# Allegro board GPS_INTERFACE_BOARDv34_test.brd (continued)
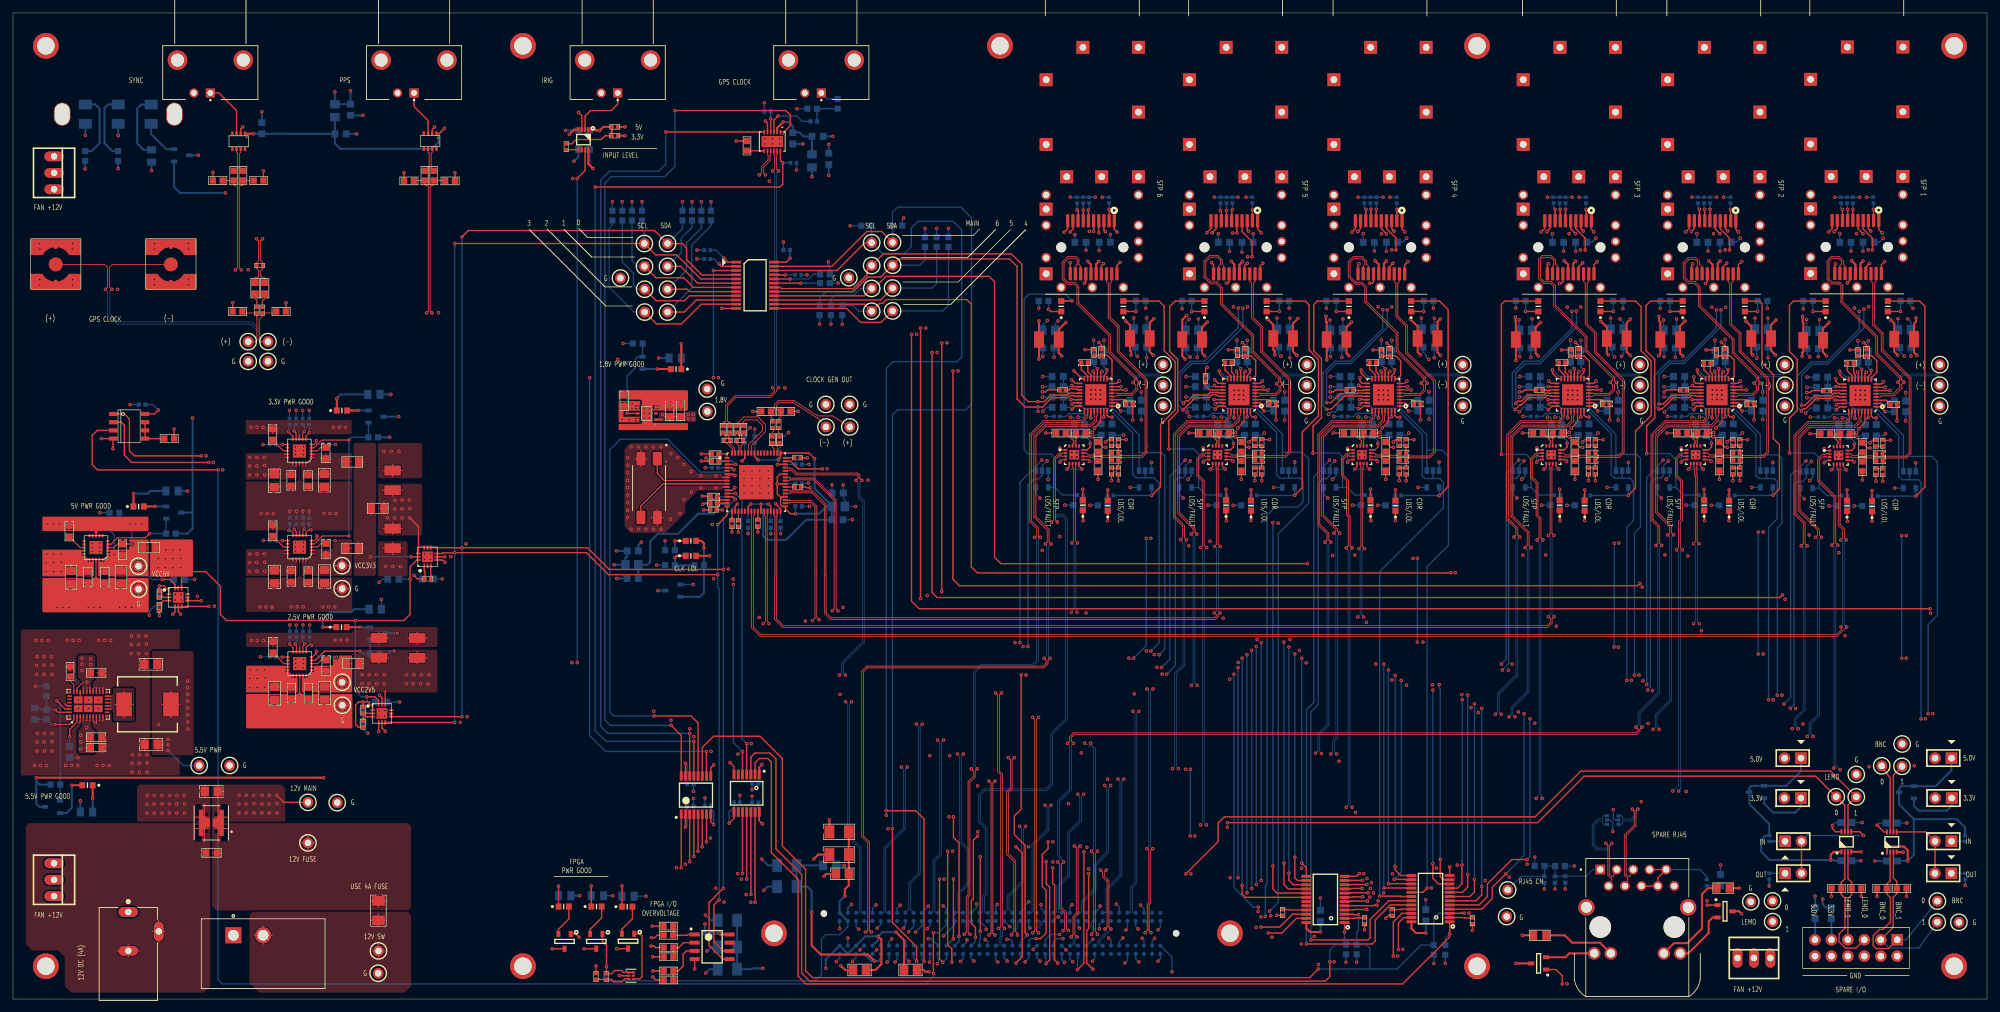
[diagram p0: board, top side]
## Routing (per net, layer and track width the routed paths; a pad name or vN(x,y) marks a point on that pad's centre or on a via; arc(x,y) is an arc through that point) (continued)
  BOTTOM w0.127: v1(168.61,10.82) 168.79,10.64 168.79,10.33 167.5,9.04 167.5,8.38 167.37,8.26 J8.D9 ; U5.3 245.63,28.32 245.5,28.19 245.5,27.93 245.38,27.8 244.69,27.8 243.84,26.95 243.84,23.8 244.6,23.04 246.15,23.04 246.53,23.42 246.53,23.74 v1(246.85,24.05)
FMC.SPARE_RJ45_0_P: length 110.6
  TOP w0.127: v1(169.52,10.82) 169.21,11.13 169.21,18.29 168.5,19 168.5,19.62 v1(168.82,19.94) ; v1(245.94,24.05) 246.25,23.74 246.25,19.16 246.65,18.76 246.81,18.68 246.87,18.51 J17.P2
  SIG w0.127: v1(245.94,24.05) 246.25,24.37 246.25,24.67 245.83,25.1 240.55,25.1 238.39,22.94 187.99,22.94 185.9,20.85 168.63,20.85 168.5,20.73 168.5,20.25 v1(168.82,19.94)
  BOTTOM w0.127: U5.1 245.63,27 245.5,27.13 245.5,27.39 245.38,27.52 244.81,27.52 244.12,26.83 244.12,23.92 244.72,23.32 246.04,23.32 246.25,23.53 246.25,23.74 v1(245.94,24.05) ; v1(169.52,10.82) 169.52,10.67 167.78,8.93 167.78,8.38 167.91,8.26 J8.D8
FMC.SPARE_RJ45_1_N: length 124.7
  TOP w0.127: v1(163.89,23.65) 163.95,23.59 164.03,23.59 164.19,23.44 164.19,13.26 163.68,12.75 163.68,9.9 v1(163.38,9.6) ; v1(250.89,29.36) 250.6,29.07 250.6,26.77 249.07,25.25 249.07,19.29 249.4,18.97 249.48,18.94 249.48,18.94 249.66,19 J17.P5
  SIG w0.127: v1(163.89,23.65) 163.89,23.69 164.78,24.59 184.72,24.59 186.07,25.93 236.22,25.93 241.22,30.94 249.61,30.94 250.6,29.95 250.6,29.65 v1(250.89,29.36)
  BOTTOM w0.127: U5.6 248.4,27 248.53,27.13 248.53,27.39 248.65,27.52 249.94,27.52 250.6,28.18 250.6,29.07 v1(250.89,29.36) ; J8.D12 163.56,8.26 163.69,8.38 163.69,8.56 163.68,8.57 163.68,9.3 v1(163.38,9.6)
FMC.SPARE_RJ45_1_P: length 123.6
  TOP w0.127: v1(164.8,23.65) 164.59,23.65 164.47,23.52 164.47,13.14 163.96,12.63 163.96,9.93 v1(164.29,9.6) ; v1(250.03,29.36) 250.32,29.07 250.32,26.89 248.79,25.36 248.79,19.18 249.35,18.62 249.35,18.38 J17.P4
  SIG w0.127: v1(164.8,23.65) 164.61,23.84 164.61,24.02 164.9,24.31 184.84,24.31 186.18,25.65 236.34,25.65 241.34,30.66 249.49,30.66 250.32,29.83 250.32,29.65 v1(250.03,29.36)
  BOTTOM w0.127: v1(250.03,29.36) 250.32,29.07 250.32,28.3 249.82,27.8 248.65,27.8 248.53,27.93 248.53,28.19 248.4,28.32 U5.4 ; v1(164.29,9.6) 163.96,9.27 163.96,8.69 163.97,8.68 163.97,8.38 164.1,8.26 J8.D11
FMC.SPARE_RJ45_LED_0: length 123.3
  TOP w0.203: Q10.1 238.24,4.56 239.22,3.58 v1(239.22,2.34)
  SIG w0.203: v1(239.22,2.34) 223.22,2.34 222.58,2.97 185.09,2.97 183.16,4.9 183.16,15.21 182.3,16.08 139.88,16.08 139.37,15.57 v1(139.37,10.34)
  BOTTOM w0.203: J8.G30 140.34,11.3 v1(139.37,10.34)
FMC.SPARE_RJ45_LED_1: length 157.9
  TOP w0.203: Q14.1 262.15,14.51 262.14,14.5 v1(261.59,14.5)
  SIG w0.203: v1(261.59,14.5) 261.59,5.03 260.55,3.99 241.02,3.99 236.7,8.31 219.79,8.31 215.33,3.85 185.51,3.85 183.92,5.44 183.92,15.62 182.8,16.74 138.68,16.74 138.28,16.34 v1(138.28,10.4)
  BOTTOM w0.203: J8.G31 139.06,11.18 v1(138.28,10.4)
FMC.TEMP_INTR*: length 227.7
  TOP w0.203: v1(142.11,3.96) v1(142.11,10.26) ; U46.3 13.03,87.88 12.24,87.1 12.24,82.6 13.06,81.79 v1(31.67,81.79)
  BOTTOM w0.203: v1(142.11,10.26) 142.89,10.26 144.15,11.52 J8.G27 ; v1(31.67,81.79) 31.67,3 32.33,2.34 140.98,2.34 142.11,3.47 v1(142.11,3.96)
FPGA_3V3: length 54.4
  TOP w0.305: C101.1 133.17,4.5 134.09,5.41 134.09,9.22 v1(133.6,9.7) ; v1(136.35,10.34) 137.58,9.1 C100.1
  SIG w0.305: v1(125.5,4.75) v1(115.77,4.75)
  BOTTOM w0.305: J8.D32 137.79,8.89 v1(136.35,10.34) 134.24,10.34 v1(133.6,9.7) ; C102.1 C104.1 C103.1 114.02,4.62 114.15,4.75 v1(115.77,4.75) ; J8.D36 133.6,9.14 v1(133.6,9.7) ; v1(133.6,9.7) 131.62,9.7 J8.D38 J8.C39 J8.D40 125.5,6.12 v1(125.5,4.75)
FPGA_12V: length 33
  TOP w0.305: v1(123.32,13.44) 123.32,8.28 124.71,6.88 132.03,6.88 v1(133.05,5.87)
  BOTTOM w0.305: C97.1 C99.1 C98.1 122.66,17.37 123.32,16.71 v1(123.32,13.44) ; J8.C37 132.56,5.87 v1(133.05,5.87) 133.6,5.87 133.99,6.25 J8.C35
GPS_CLK10_N: length 4.1
  TOP w0.127: U48.64 111.11,84.49 111.11,85.02 110.19,85.93 110.19,85.95 R35.2 110.15,86.67 110.15,86.86 109.65,87.35 C39.2
GPS_CLK10_P: length 3.7
  TOP w0.127: U48.63 111.43,84.46 111.43,85.15 110.71,85.87 R35.1 110.46,86.58 110.46,86.92 110.72,87.17 C38.2
GPS_CLK_IN: length 2.9
  BOTTOM w0.203: J1.1 125.74,139.1 R2.1
GPS_CLK_SCOPE_N: length 52.4
  TOP w0.127: v1(15.28,109.68) 14.88,110.07 14.88,113.06 15.37,113.54 J3.3 ; R8.1 40.41,106.03 R6.2 38.51,105.52 38.02,105.04 38.02,101.8 38.23,101.6 TP2.1
  BOTTOM w0.127: v1(15.28,109.68) 14.96,109.36 14.96,105.91 16.23,104.65 36.88,104.65 38.02,103.5 38.02,101.8
  BOTTOM w0.203: TP2.1 38.23,101.6 38.02,101.8
GPS_CLK_SCOPE_P: length 50.8
  TOP w0.127: R7.1 35.67,106.03 R3.2 37.64,105.52 37.68,105.49 37.68,105.2 37.67,105.19 37.67,101.8 37.47,101.6 TP1.1 ; J2.3 14.12,113.54 14.61,113.06 14.61,109.99 v1(14.29,109.68)
  BOTTOM w0.127: v1(14.29,109.68) 14.61,109.36 14.61,105.77 16.08,104.29 36.73,104.29 37.67,103.35 37.67,101.8
  BOTTOM w0.203: TP1.1 37.47,101.6 37.67,101.8
GPS_GROUP.GPS_CLK_N: length 49.6
  TOP w0.127: v1(117.29,127.99) 117.61,128.31 117.61,130.41 117.5,130.52 U1.10 ; v1(117.29,94.49) 117.61,94.17 117.61,93.99 116.86,93.24 111.49,93.24 110.05,91.8 110.05,89.32 109.92,89.2 109.78,89.2 109.65,89.07 C39.1
  BOTTOM w0.127: v1(117.29,127.99) 117.61,127.68 117.61,94.8 v1(117.29,94.49)
GPS_GROUP.GPS_CLK_P: length 49.6
  TOP w0.127: U1.11 118,130.52 117.89,130.41 117.89,128.31 v1(118.2,127.99) ; v1(118.2,94.49) 117.89,94.17 117.89,93.88 116.97,92.96 111.61,92.96 110.32,91.68 110.32,89.32 110.45,89.2 110.59,89.2 110.72,89.07 C38.1
  BOTTOM w0.127: v1(118.2,94.49) 117.89,94.8 117.89,127.68 v1(118.2,127.99)
GPS_IRIGB_IN: length 9.6
  TOP w0.203: U47.2 88.34,136.44 89.2,137.31 92.38,137.31 93.37,138.3 J4.1
GPS_PPS_IN: length 7.2
  TOP w0.203: U2.3 64.09,135.78 61.93,137.95 J5.1
GPS_SYNC_IN: length 8.7
  TOP w0.203: J6.1 31.8,140.03 34.52,137.31 U3.3
I2C_SW_RST*: length 117.3
  TOP w0.203: U19.3 v1(108.15,112.59) ; U18.10 107.09,35.43 107.07,35.44 v1(107.07,38.26)
  SIG w0.203: v1(108.15,96.04) v1(89.04,96.04)
  BOTTOM w0.203: v1(107.07,38.26) 91.51,38.26 89.04,40.73 v1(89.04,96.04) ; v1(108.15,112.59) v1(108.15,96.04)
INTVCC_2V5: length 10.3
  TOP w0.203: v1(54.05,45.92) 53.37,45.92 52.91,45.47 52.91,42.42 53.28,42.04 R60.1 ; v1(54.05,45.92) R59.1 ; v1(54.05,45.92) 54.79,45.92 55.57,45.14 U13.1
  BOTTOM w0.203: v1(54.05,45.92) C86.1
INTVCC_3V3: length 5.5
  TOP w0.203: U10.1 63.51,66.18 63.61,66.08 R55.1 63.11,64.95 63.08,64.92 62.46,64.92 v1(61.9,65.48)
  BOTTOM w0.203: v1(61.9,65.48) 62.46,64.92 C74.1
INTVCC_5V: length 4.6
  TOP w0.203: R48.1 v1(22.61,63.86) 23.34,63.86 24.13,63.07 U8.1
  BOTTOM w0.203: v1(22.61,63.86) C59.1
LED_0: length 7.7
  TOP w0.305: Q10.2 239.71,6.46 240.31,7.06 J17.P11
LED_1: length 9.1
  TOP w0.305: Q14.2 262.43,12.61 261.82,12 261.82,10.2 258.68,7.06 J17.P14
LEMO_DIR: length 17
  TOP w0.203: v1(285.72,25.27) 285.14,25.86 U50.5 ; J12.2 J11.2
  BOTTOM w0.203: v1(285.72,25.27) 277.04,25.27 J12.2
LEMO_VCCA: length 38.6
  TOP w0.305: v1(280.67,21.49) 280.67,22.3 281.13,22.76 U50.1
  BOTTOM w0.305: C114.1 281.25,21.39 281.15,21.49 v1(280.67,21.49) 271.22,21.49 269.93,22.78 269.93,24.6 270.59,25.27 R107.2 271.17,27.08 268.09,30.16 Q2.3 268.09,32.65 268.39,32.95 268.91,32.95 268.91,32.95 Q2.1 273.8,32.95 276.07,35.23 J10.1
MOD_ABS_SFP INTERFACE_SFP1: length 2.7
  TOP w0.203: v1(284.1,122.05) 284.08,122.03 J13.6
  BOTTOM w0.203: R127.2 v1(284.1,122.05)
MOD_ABS_SFP INTERFACE_SFP2: length 2.7
  TOP w0.203: v1(262.03,122.05) 262.03,121.55 262.01,121.54 J14.6
  BOTTOM w0.203: R148.2 v1(262.03,122.05)
MOD_ABS_SFP INTERFACE_SFP3: length 2.7
  TOP w0.203: v1(239.73,122.05) 239.73,121.55 239.71,121.54 J18.6
  BOTTOM w0.203: R169.2 v1(239.73,122.05)
MOD_ABS_SFP INTERFACE_SFP4: length 2.8
  TOP w0.203: v1(210.52,122.05) 210.52,121.53 210.47,121.49 J19.6
  BOTTOM w0.203: R190.2 v1(210.52,122.05)
MOD_ABS_SFP INTERFACE_SFP5: length 2.8
  TOP w0.203: v1(188.29,122) 188.17,121.88 J20.6
  BOTTOM w0.203: v1(188.29,122) R211.2
MOD_ABS_SFP INTERFACE_SFP6: length 2.8
  TOP w0.203: J21.6 v1(166.05,121.97)
  BOTTOM w0.203: v1(166.05,121.97) 166.17,122.09 R232.2
N01450_SFP INTERFACE_SFP1: length 2.6
  TOP w0.203: C152.1 284.22,96.71 284.44,96.48 U23.14
N01450_SFP INTERFACE_SFP2: length 2.5
  TOP w0.203: U27.14 262.37,96.61 262.09,96.88 C175.1
N01450_SFP INTERFACE_SFP3: length 2.7
  TOP w0.203: C198.1 239.67,96.88 240.07,96.47 U31.14
N01450_SFP INTERFACE_SFP4: length 2.7
  TOP w0.203: U35.14 210.86,96.56 210.46,96.97 C221.1
N01450_SFP INTERFACE_SFP5: length 2.7
  TOP w0.203: U39.14 188.56,96.47 188.15,96.88 C244.1
N01450_SFP INTERFACE_SFP6: length 2.7
  TOP w0.203: U43.14 166.43,96.47 165.95,96.95 C267.1
N01454_SFP INTERFACE_SFP1: length 2.8
  TOP w0.203: U23.15 283.94,96.37 283.22,97.1 C152.2
N01454_SFP INTERFACE_SFP2: length 2.7
  TOP w0.203: U27.15 261.87,96.47 261.1,97.25 C175.2
N01454_SFP INTERFACE_SFP3: length 2.9
  TOP w0.203: U31.15 239.57,96.42 238.67,97.32 C198.2
N01454_SFP INTERFACE_SFP4: length 2.9
  TOP w0.203: U35.15 210.36,96.47 209.46,97.37 C221.2
N01454_SFP INTERFACE_SFP5: length 2.9
  TOP w0.203: U39.15 188.06,96.3 187.16,97.2 C244.2
N01454_SFP INTERFACE_SFP6: length 2.9
  TOP w0.203: C267.2 164.96,97.27 165.93,96.3 U43.15
N04910_SFP INTERFACE_SFP1: length 4.2
  TOP w0.165: U22.4 280.05,83.27 v1(279.65,82.88) ; v1(279.65,85.06) 279.96,84.76 280.5,84.76 U22.1
  BOTTOM w0.165: v1(279.65,82.88) v1(279.65,85.06)
N04910_SFP INTERFACE_SFP2: length 4.2
  TOP w0.165: v1(257.58,85.17) 257.89,84.86 258.43,84.86 U26.1 ; v1(257.58,82.98) 257.97,83.37 U26.4
  BOTTOM w0.165: v1(257.58,82.98) v1(257.58,85.17)
N04910_SFP INTERFACE_SFP3: length 4.2
  TOP w0.165: v1(235.28,85.17) 235.59,84.86 236.13,84.86 U30.1 ; U30.4 235.67,83.37 v1(235.28,82.98)
  BOTTOM w0.165: v1(235.28,82.98) v1(235.28,85.17)
N04910_SFP INTERFACE_SFP4: length 4.2
  TOP w0.165: U34.1 206.92,84.86 206.38,84.86 v1(206.07,85.17) ; v1(206.07,82.98) 206.46,83.37 U34.4
  BOTTOM w0.165: v1(206.07,82.98) v1(206.07,85.17)
N04910_SFP INTERFACE_SFP5: length 4.2
  TOP w0.165: U38.4 184.16,83.37 v1(183.77,82.98) ; U38.1 184.62,84.86 184.07,84.86 v1(183.77,85.17)
  BOTTOM w0.165: v1(183.77,82.98) v1(183.77,85.17)
N04910_SFP INTERFACE_SFP6: length 4.2
  TOP w0.165: U42.1 162.49,84.86 161.95,84.86 v1(161.65,85.17) ; v1(161.65,82.98) 162.04,83.37 U42.4
  BOTTOM w0.165: v1(161.65,82.98) v1(161.65,85.17)
N04977_SFP INTERFACE_SFP1: length 4.4
  TOP w0.165: v1(283.06,81.79) 282.61,82.23 U22.8 ; v1(280.75,81.79) 281.11,82.16 U22.5
  BOTTOM w0.165: v1(280.75,81.79) v1(283.06,81.79)
N04977_SFP INTERFACE_SFP2: length 4.4
  TOP w0.165: U26.8 260.54,82.33 v1(260.99,81.89) ; v1(258.67,81.89) 259.04,82.26 U26.5
  BOTTOM w0.165: v1(258.67,81.89) v1(260.99,81.89)
N04977_SFP INTERFACE_SFP3: length 4.4
  TOP w0.165: v1(236.37,81.89) 236.74,82.26 U30.5 ; v1(238.68,81.89) 238.24,82.33 U30.8
  BOTTOM w0.165: v1(236.37,81.89) v1(238.68,81.89)
N04977_SFP INTERFACE_SFP4: length 4.4
  TOP w0.165: U34.8 209.03,82.33 v1(209.47,81.89) ; U34.5 207.53,82.26 v1(207.16,81.89)
  BOTTOM w0.165: v1(207.16,81.89) v1(209.47,81.89)
N04977_SFP INTERFACE_SFP5: length 4.4
  TOP w0.165: U38.5 185.23,82.26 v1(184.86,81.89) ; U38.8 186.73,82.33 v1(187.17,81.89)
  BOTTOM w0.165: v1(184.86,81.89) v1(187.17,81.89)
N04977_SFP INTERFACE_SFP6: length 4.4
  TOP w0.165: v1(162.74,81.89) 163.11,82.26 U42.5 ; U42.8 164.61,82.33 v1(165.05,81.89)
  BOTTOM w0.165: v1(162.74,81.89) v1(165.05,81.89)
N136741_SFP INTERFACE_SFP1: length 3.6
  TOP w0.203: v1(277.91,106.26) 279.18,106.26 279.18,106.26 D17.1
  BOTTOM w0.203: R132.1 v1(277.91,106.26)
N136741_SFP INTERFACE_SFP2: length 3.6
  TOP w0.203: D21.1 257.11,106.26 257.11,106.26 v1(255.84,106.26)
  BOTTOM w0.203: R153.1 v1(255.84,106.26)
N136741_SFP INTERFACE_SFP3: length 3.6
  TOP w0.203: v1(233.54,106.26) 234.8,106.26 234.81,106.26 D25.1
  BOTTOM w0.203: R174.1 v1(233.54,106.26)
N136741_SFP INTERFACE_SFP4: length 3.6
  TOP w0.203: v1(204.31,106.26) 205.57,106.26 D29.1
  BOTTOM w0.203: R195.1 v1(204.31,106.26)
N136741_SFP INTERFACE_SFP5: length 3.6
  TOP w0.203: v1(182,106.26) 183.27,106.26 D33.1
  BOTTOM w0.203: R216.1 v1(182,106.26)
N136741_SFP INTERFACE_SFP6: length 3.4
  TOP w0.203: v1(159.88,106.6) 160.23,106.25 161.14,106.25 161.15,106.26 D37.1
  BOTTOM w0.203: R237.1 v1(159.88,106.6)
N141568_SFP INTERFACE_SFP1: length 44.2
  TOP w0.203: D17.2 274.89,107.86 274.29,107.26 274.29,100.08 275.49,98.88 275.49,90.98 274.29,89.79 v1(274.29,84.38)
  BOTTOM w0.203: v1(274.29,84.38) 278.13,84.38 278.89,83.62 278.89,78.97 ; 278.89,78.97 280.06,77.8 R131.2 ; 278.89,78.97 U24.4
N141568_SFP INTERFACE_SFP2: length 44.1
  TOP w0.203: D21.2 252.84,107.86 252.15,107.16 252.15,100.2 253.49,98.86 253.49,89.81 252.25,88.57 v1(252.25,84.3)
  BOTTOM w0.203: 256.74,79.07 257.91,77.9 R152.2 ; 256.74,79.07 U28.4 ; 256.74,79.07 256.74,83.39 255.83,84.3 v1(252.25,84.3)
N141568_SFP INTERFACE_SFP3: length 43.3
  TOP w0.203: v1(229.82,84.18) 229.82,107.37 230.31,107.86 D25.2
  BOTTOM w0.203: 234.39,79.07 234.39,83.41 233.63,84.18 v1(229.82,84.18) ; 234.39,79.07 235.56,77.9 R173.2 ; 234.39,79.07 U32.4
N141568_SFP INTERFACE_SFP4: length 44.1
  TOP w0.203: D29.2 201.38,107.86 200.84,107.31 200.84,100.18 202.03,98.98 202.03,89.81 200.74,88.52 v1(200.74,84.38)
  BOTTOM w0.203: R194.2 207.19,77.9 206.02,79.07 205.28,79.07 ; U36.4 205.28,79.07 ; 205.28,79.07 205.28,83.85 204.75,84.38 v1(200.74,84.38)
N141568_SFP INTERFACE_SFP5: length 43.9
  TOP w0.203: v1(178.46,85.01) 178.46,89.38 179.83,90.75 179.83,98.88 178.59,100.13 178.59,107.04 179.41,107.86 D33.2
  BOTTOM w0.203: v1(178.46,85.01) 182.3,85.01 183.06,84.25 183.06,79.07 ; U40.4 183.06,79.07 ; 183.06,79.07 184.23,77.9 R215.2
N141568_SFP INTERFACE_SFP6: length 47.9
  TOP w0.203: v1(163.53,107.9) 162.59,107.9 162.55,107.86 D37.2
  BOTTOM w0.203: v1(163.53,107.9) 162.48,108.94 156.87,108.94 156.13,108.2 156.13,84.91 156.82,84.23 160.3,84.23 160.88,83.64 160.88,79.07 ; 160.88,79.07 162.05,77.9 R236.2 ; 160.88,79.07 U44.4
N210584_SFP INTERFACE_SFP1: length 5.6
  TOP w0.203: D16.1 283.18,74.77 283.25,74.7 v1(283.25,73.82)
  BOTTOM w0.203: R131.1 283.25,76.92 283.25,76.91 R133.1 v1(283.25,73.82)
N210584_SFP INTERFACE_SFP2: length 5.6
  TOP w0.203: v1(261.18,73.93) 261.18,74.8 261.11,74.87 D20.1
  BOTTOM w0.203: v1(261.18,73.93) R154.1 261.18,77.01 261.18,77.02 R152.1
N210584_SFP INTERFACE_SFP3: length 5.6
  TOP w0.203: D24.1 238.81,74.87 238.88,74.8 v1(238.88,73.93)
  BOTTOM w0.203: v1(238.88,73.93) R175.1 238.88,77.01 238.88,77.02 R173.1
N210584_SFP INTERFACE_SFP4: length 5.6
  TOP w0.203: v1(209.67,73.93) 209.67,74.8 209.6,74.87 D28.1
  BOTTOM w0.203: v1(209.67,73.93) R196.1 209.67,77.01 209.67,77.02 R194.1
N210584_SFP INTERFACE_SFP5: length 5.6
  TOP w0.203: D32.1 187.3,74.87 187.36,74.8 v1(187.36,73.93)
  BOTTOM w0.203: v1(187.36,73.93) R217.1 187.36,77.01 187.37,77.02 R215.1
N210584_SFP INTERFACE_SFP6: length 5.6
  TOP w0.203: v1(165.24,73.93) 165.24,74.8 165.18,74.87 D36.1
  BOTTOM w0.203: v1(165.24,73.93) R238.1 165.24,77.01 165.25,77.02 R236.1
N222361_SFP INTERFACE_SFP1: length 5.4
  TOP w0.203: v1(287.03,73.85) 287.03,74.68 287.05,74.69 D18.1
  BOTTOM w0.203: R137.1 287.03,76.89 287.03,76.88 R139.1 v1(287.03,73.85)
N222361_SFP INTERFACE_SFP2: length 5.4
  TOP w0.203: v1(264.96,73.95) 264.96,74.78 264.97,74.79 D22.1
  BOTTOM w0.203: v1(264.96,73.95) R160.1 264.96,76.99 264.95,76.99 R158.1
N222361_SFP INTERFACE_SFP3: length 5.4
  TOP w0.203: v1(242.66,73.95) 242.66,74.78 242.67,74.79 D26.1
  BOTTOM w0.203: v1(242.66,73.95) R181.1 242.66,76.99 242.65,76.99 R179.1
N222361_SFP INTERFACE_SFP4: length 5.4
  TOP w0.203: D30.1 213.46,74.79 213.45,74.78 v1(213.45,73.95)
  BOTTOM w0.203: v1(213.45,73.95) R202.1 213.45,76.99 213.44,76.99 R200.1
N222361_SFP INTERFACE_SFP5: length 5.4
  TOP w0.203: D34.1 191.16,74.79 191.15,74.78 v1(191.15,73.95)
  BOTTOM w0.203: v1(191.15,73.95) R223.1 191.15,76.99 191.14,76.99 R221.1
N222361_SFP INTERFACE_SFP6: length 5.4
  TOP w0.203: D38.1 169.04,74.79 169.03,74.78 v1(169.03,73.95)
  BOTTOM w0.203: R242.1 169.02,76.99 169.03,76.99 R244.1 v1(169.03,73.95)
N222457_SFP INTERFACE_SFP1: length 43.1
  TOP w0.203: v1(293.79,77.72) 295.2,79.13 295.2,107.06 294.4,107.86 D19.2
  BOTTOM w0.203: U25.4 v1(293.79,77.72) R137.2
N222457_SFP INTERFACE_SFP2: length 41.1
  TOP w0.203: v1(271.77,77.86) 272.75,78.83 272.75,85.67 271.81,86.61 271.81,96.52 270.05,98.27 270.05,107.49 269.68,107.86 D23.2
  BOTTOM w0.203: U29.4 271.72,77.91 v1(271.77,77.86) 271.23,77.86 271.2,77.83 R158.2
N222457_SFP INTERFACE_SFP3: length 45
  TOP w0.203: v1(249.4,77.83) 250.52,78.96 250.52,87.78 252.93,90.2 252.93,98.63 251.38,100.18 251.38,107.01 250.53,107.86 D27.2
  BOTTOM w0.203: U33.4 249.42,77.85 v1(249.4,77.83) 248.9,77.83 248.89,77.83 R179.2
N222457_SFP INTERFACE_SFP4: length 42.7
  TOP w0.203: v1(220.21,77.8) 221.59,79.18 221.59,106.55 220.28,107.86 D31.2
  BOTTOM w0.203: R200.2 219.68,77.83 219.71,77.8 v1(220.21,77.8) U37.4
N222457_SFP INTERFACE_SFP5: length 45.4
  TOP w0.203: D35.2 199.56,107.86 200.13,107.29 200.13,100.3 201.57,98.86 201.57,90.14 199.06,87.63 199.06,79.01 v1(197.9,77.85)
  BOTTOM w0.203: R221.2 197.38,77.83 197.41,77.85 v1(197.9,77.85) U41.4
N222457_SFP INTERFACE_SFP6: length 45.3
  TOP w0.203: D39.2 176.97,107.86 177.75,107.09 177.75,100.2 179.45,98.5 179.45,91.06 177.19,88.8 177.19,79.2 v1(175.81,77.81)
  BOTTOM w0.203: U45.4 175.78,78.33 175.81,78.31 v1(175.81,77.81) 175.31,77.81 175.3,77.83 R242.2
N222469_SFP INTERFACE_SFP1: length 3.6
  TOP w0.203: D19.1 290.19,106.26 v1(291.45,106.26)
  BOTTOM w0.203: R138.1 v1(291.45,106.26)
N222469_SFP INTERFACE_SFP2: length 3.6
  TOP w0.203: D23.1 268.11,106.26 268.12,106.26 v1(269.38,106.26)
  BOTTOM w0.203: R159.1 v1(269.38,106.26)
N222469_SFP INTERFACE_SFP3: length 3.6
  TOP w0.203: v1(247.08,106.26) 245.81,106.26 D27.1
  BOTTOM w0.203: R180.1 v1(247.08,106.26)
N222469_SFP INTERFACE_SFP4: length 3.6
  TOP w0.203: v1(217.82,106.26) 216.58,106.26 216.58,106.26 D31.1
  BOTTOM w0.203: R201.1 v1(217.82,106.26)
N222469_SFP INTERFACE_SFP5: length 3.6
  TOP w0.203: D35.1 194.28,106.26 194.28,106.26 v1(195.54,106.26)
  BOTTOM w0.203: R222.1 v1(195.54,106.26)
N222469_SFP INTERFACE_SFP6: length 3.6
  TOP w0.203: v1(173.39,106.26) 172.15,106.26 172.15,106.26 D39.1
  BOTTOM w0.203: R243.1 v1(173.39,106.26)
PG_2V5: length 12
  TOP w0.203: U12.4 46.68,52.34 48.11,53.77 v1(53.57,53.77)
  BOTTOM w0.203: Q6.1 55.11,55.04 55.13,55.02 R61.1 53.98,53.37 v1(53.57,53.77)
PG_3V3: length 32.9
  TOP w0.165: v1(51.87,86.39) 47.68,86.39 46.51,85.21 U11.4 ; v1(51.87,71.58) 47.76,71.58 46.53,70.35 U9.4
  BOTTOM w0.203: Q5.1 54.91,88.54 54.88,88.51 R56.1 52.3,86.82 v1(51.87,86.39) v1(51.87,71.58)
PG_5V: length 12
  TOP w0.165: 20.47,71.3 16.14,71.3 15.11,70.27 U7.4
  TOP w0.203: 20.47,71.3 20.47,71.32 v1(21.08,71.93)
  BOTTOM w0.203: Q4.1 23.67,73.71 23.63,73.67 R50.1 v1(21.08,71.93)
PG_5V5: length 18.2
  TOP w0.203: v1(6.78,46.1) 8.06,44.82 U6.31
  BOTTOM w0.203: Q3.1 7.27,31.17 7.3,31.2 R40.1 7.3,34.2 7.29,34.21 7.29,45.59 v1(6.78,46.1)
PPS_OUT_N: length 3.8
  TOP w0.127: U2.6 64.09,130.89 64.26,130.72 64.26,128.66 R12.1
PPS_OUT_P: length 3.6
  TOP w0.127: U2.7 64.74,130.89 64.57,130.72 64.57,128.41 R11.1
R_N_SFP INTERFACE_SFP1: length 2.6
  TOP w0.165: R130.2 281.8,86.16 281.8,85.84 281.61,85.66 U22.15
R_N_SFP INTERFACE_SFP2: length 2.6
  TOP w0.165: R151.2 259.72,86.26 259.72,85.94 259.54,85.76 U26.15
R_N_SFP INTERFACE_SFP3: length 2.6
  TOP w0.165: U30.15 237.24,85.76 237.42,85.94 237.42,86.26 R172.2
R_N_SFP INTERFACE_SFP4: length 2.6
  TOP w0.165: R193.2 208.21,86.26 208.21,85.94 208.03,85.76 U34.15
R_N_SFP INTERFACE_SFP5: length 2.6
  TOP w0.165: U38.15 185.73,85.76 185.91,85.94 185.91,86.26 R214.2
R_N_SFP INTERFACE_SFP6: length 2.6
  TOP w0.165: R235.2 163.79,86.26 163.79,85.94 163.61,85.76 U42.15
R_P_SFP INTERFACE_SFP1: length 2
  TOP w0.165: R128.2 282.13,86.69 282.11,86.68 U22.14
R_P_SFP INTERFACE_SFP2: length 2
  TOP w0.165: U26.14 260.04,86.78 260.06,86.79 R149.2
R_P_SFP INTERFACE_SFP3: length 2
  TOP w0.165: U30.14 237.74,86.78 237.76,86.79 R170.2
R_P_SFP INTERFACE_SFP4: length 2
  TOP w0.165: R191.2 208.55,86.79 208.53,86.78 U34.14
R_P_SFP INTERFACE_SFP5: length 2
  TOP w0.165: U38.14 186.23,86.78 186.24,86.79 R212.2
R_P_SFP INTERFACE_SFP6: length 2
  TOP w0.165: R233.2 164.12,86.79 164.11,86.78 U42.14
RS_SFP INTERFACE_SFP1: length 2.7
  TOP w0.203: J13.7 283.28,122.02 v1(283.26,122.05)
  BOTTOM w0.203: R129.2 283.18,122.15 283.26,122.07 v1(283.26,122.05)
RS_SFP INTERFACE_SFP2: length 2.8
  TOP w0.203: v1(261.19,122.05) 261.19,121.55 261.21,121.53 J14.7
  BOTTOM w0.203: R150.2 261.11,122.15 261.19,122.07 v1(261.19,122.05)
RS_SFP INTERFACE_SFP3: length 2.8
  TOP w0.203: J18.7 238.91,121.53 238.89,121.55 v1(238.89,122.05)
  BOTTOM w0.203: v1(238.89,122.05) 238.89,122.07 238.81,122.15 R171.2
RS_SFP INTERFACE_SFP4: length 2.8
  TOP w0.203: J19.7 209.67,121.49 209.68,121.49 v1(209.68,122.05)
  BOTTOM w0.203: v1(209.68,122.05) 209.68,122.07 209.6,122.15 R192.2
RS_SFP INTERFACE_SFP5: length 2.7
  TOP w0.203: J20.7 v1(187.37,121.89)
  BOTTOM w0.203: v1(187.37,121.89) 187.37,122.51 187.38,122.52 R213.2
RS_SFP INTERFACE_SFP6: length 2.7
  TOP w0.203: J21.7 v1(165.25,121.94)
  BOTTOM w0.203: v1(165.25,121.94) 165.25,122.51 165.25,122.52 R234.2
RT_5V5: length 2.6
  TOP w0.165: U6.26 9.38,48.62 8.81,49.19 R42.1
SFP_RD_N_SFP INTERFACE_SFP1: length 42.4
  TOP w0.127: J13.12 282.08,113.32 282.34,113.58 282.34,113.98 281.88,114.45 280.85,114.45 280.39,114 280.39,111.3 280.9,110.79 282.07,110.79 282.52,110.34 282.52,107.77 287.91,102.39 287.91,99.73 291.62,96.02 291.62,95.68 v1(291.97,95.33) 291.66,95.01 291.66,94.43 290.45,93.23 288.51,93.23 288.32,93.04 U23.4
  BOTTOM w0.127: TP56.1 297.5,96.19 297.37,96.32 297.07,96.32 291.75,96.32 291.62,96.19 291.62,95.68 v1(291.97,95.33)
SFP_RD_N_SFP INTERFACE_SFP2: length 39.8
  TOP w0.127: U27.4 266.25,93.15 266.38,93.27 268.73,93.27 269.49,94.03 269.49,94.91 v1(269.78,95.2) 269.55,95.43 269.55,96.1 265.73,99.91 265.73,102 260.5,107.23 260.5,110.07 259.72,110.86 258.82,110.86 258.17,111.51 258.17,113.72 258.75,114.3 259.71,114.3 260.12,113.89 260.12,113.34 260.01,113.23 J14.12
  BOTTOM w0.127: v1(269.78,95.2) 269.55,95.43 269.55,95.81 269.95,96.22 273.46,96.22 273.58,96.09 TP57.1
SFP_RD_N_SFP INTERFACE_SFP3: length 41
  TOP w0.127: U31.4 243.95,93.15 244.13,93.33 246.52,93.33 247.28,94.09 247.28,95.01 v1(247.57,95.3) 247.25,95.63 247.25,96.07 243.03,100.29 243.03,102.39 238.15,107.26 238.15,110.26 237.56,110.86 236.45,110.86 235.84,111.47 235.84,114.25 236.22,114.63 237.39,114.63 237.92,114.1 237.92,113.48 237.71,113.27 J18.12
  BOTTOM w0.127: TP58.1 251.21,96.19 251.08,96.32 247.65,96.32 247.25,95.92 247.25,95.63 v1(247.57,95.3)
SFP_RD_N_SFP INTERFACE_SFP4: length 42.7
  TOP w0.127: J19.12 208.47,113.27 208.73,113.53 208.73,113.92 208.18,114.48 207.06,114.48 206.45,113.87 206.45,111.68 207.37,110.77 208.32,110.77 208.99,110.1 208.99,107.82 213.84,102.97 213.84,100.24 218.04,96.05 218.04,95.53 v1(218.37,95.2) 218.07,94.9 218.07,94.02 217.38,93.33 214.92,93.33 214.74,93.15 U35.4
  BOTTOM w0.127: v1(218.37,95.2) 218.04,95.53 218.04,95.84 218.52,96.32 223.72,96.32 223.85,96.19 TP59.1
SFP_RD_N_SFP INTERFACE_SFP5: length 41.3
  TOP w0.127: J20.12 186.17,113.27 186.43,113.53 186.43,114.15 185.93,114.66 184.89,114.66 184.18,113.94 184.18,111.63 184.99,110.82 185.9,110.82 186.72,110.01 186.72,107.47 191.57,102.62 191.57,100.06 195.74,95.89 195.74,95.37 v1(196.04,95.07) 195.77,94.81 195.77,94.02 195.08,93.33 192.62,93.33 192.44,93.15 U39.4
  BOTTOM w0.127: v1(196.04,95.07) 195.74,95.37 195.74,95.84 196.22,96.32 199.64,96.32 199.77,96.19 TP60.1
SFP_RD_N_SFP INTERFACE_SFP6: length 40.6
  TOP w0.127: J21.12 164.05,113.27 164.31,113.53 164.31,114.2 164.03,114.48 162.99,114.48 162.28,113.77 162.28,111.35 162.86,110.77 163.98,110.77 164.57,110.19 164.57,107.57 169.47,102.67 169.47,100.04 173.48,96.03 173.48,95.71 v1(173.91,95.28) 173.65,95.01 173.65,94.17 172.8,93.33 170.5,93.33 170.32,93.15 U43.4
  BOTTOM w0.127: v1(173.91,95.28) 173.61,95.57 173.61,95.97 173.96,96.32 177.44,96.32 177.57,96.19 TP61.1
SFP_RD_P_SFP INTERFACE_SFP1: length 43.1
  TOP w0.127: U23.5 290.32,93.54 291.34,94.56 291.34,95.01 v1(291.02,95.33) 291.34,95.65 291.34,95.9 287.63,99.62 287.63,102.27 282.24,107.66 282.24,110.22 281.95,110.52 280.78,110.52 280.11,111.19 280.11,114.11 280.73,114.73 281.99,114.73 282.62,114.1 282.62,113.58 282.88,113.32 J13.13
  BOTTOM w0.127: v1(291.02,95.33) 291.34,95.65 291.34,96.31 291.63,96.6 297.08,96.6 297.37,96.6 297.5,96.72 TP50.1
SFP_RD_P_SFP INTERFACE_SFP2: length 41.2
  TOP w0.127: J14.13 260.81,113.2 260.4,113.61 260.4,114.01 259.83,114.58 258.63,114.58 257.89,113.83 257.89,111.39 258.7,110.58 259.6,110.58 260.22,109.96 260.22,107.11 265.46,101.88 265.46,99.8 269.27,95.98 269.27,95.64 v1(268.83,95.2) 269.21,94.82 269.21,94.15 268.62,93.55 266.26,93.55 266.16,93.65 U27.5
  BOTTOM w0.127: v1(268.83,95.2) 269.27,95.64 269.27,95.93 269.84,96.49 273.35,96.49 273.58,96.72 TP51.1
